# Altium PCB Layout.PcbDoc (part 3 of 4)
Units mil, origin at the board's own origin, x right, y up, seen from the top; angles counter-clockwise.
Board outline 10232.28 x 5133.86 mil, 4 copper layers (Top Layer, Mid 1, Mid 2, Bottom Layer), stack 23.756 mil thick; 494 components, 257 nets, 1544 pads, 835 vias.
Unrouted connection lines stored in the file: 4.
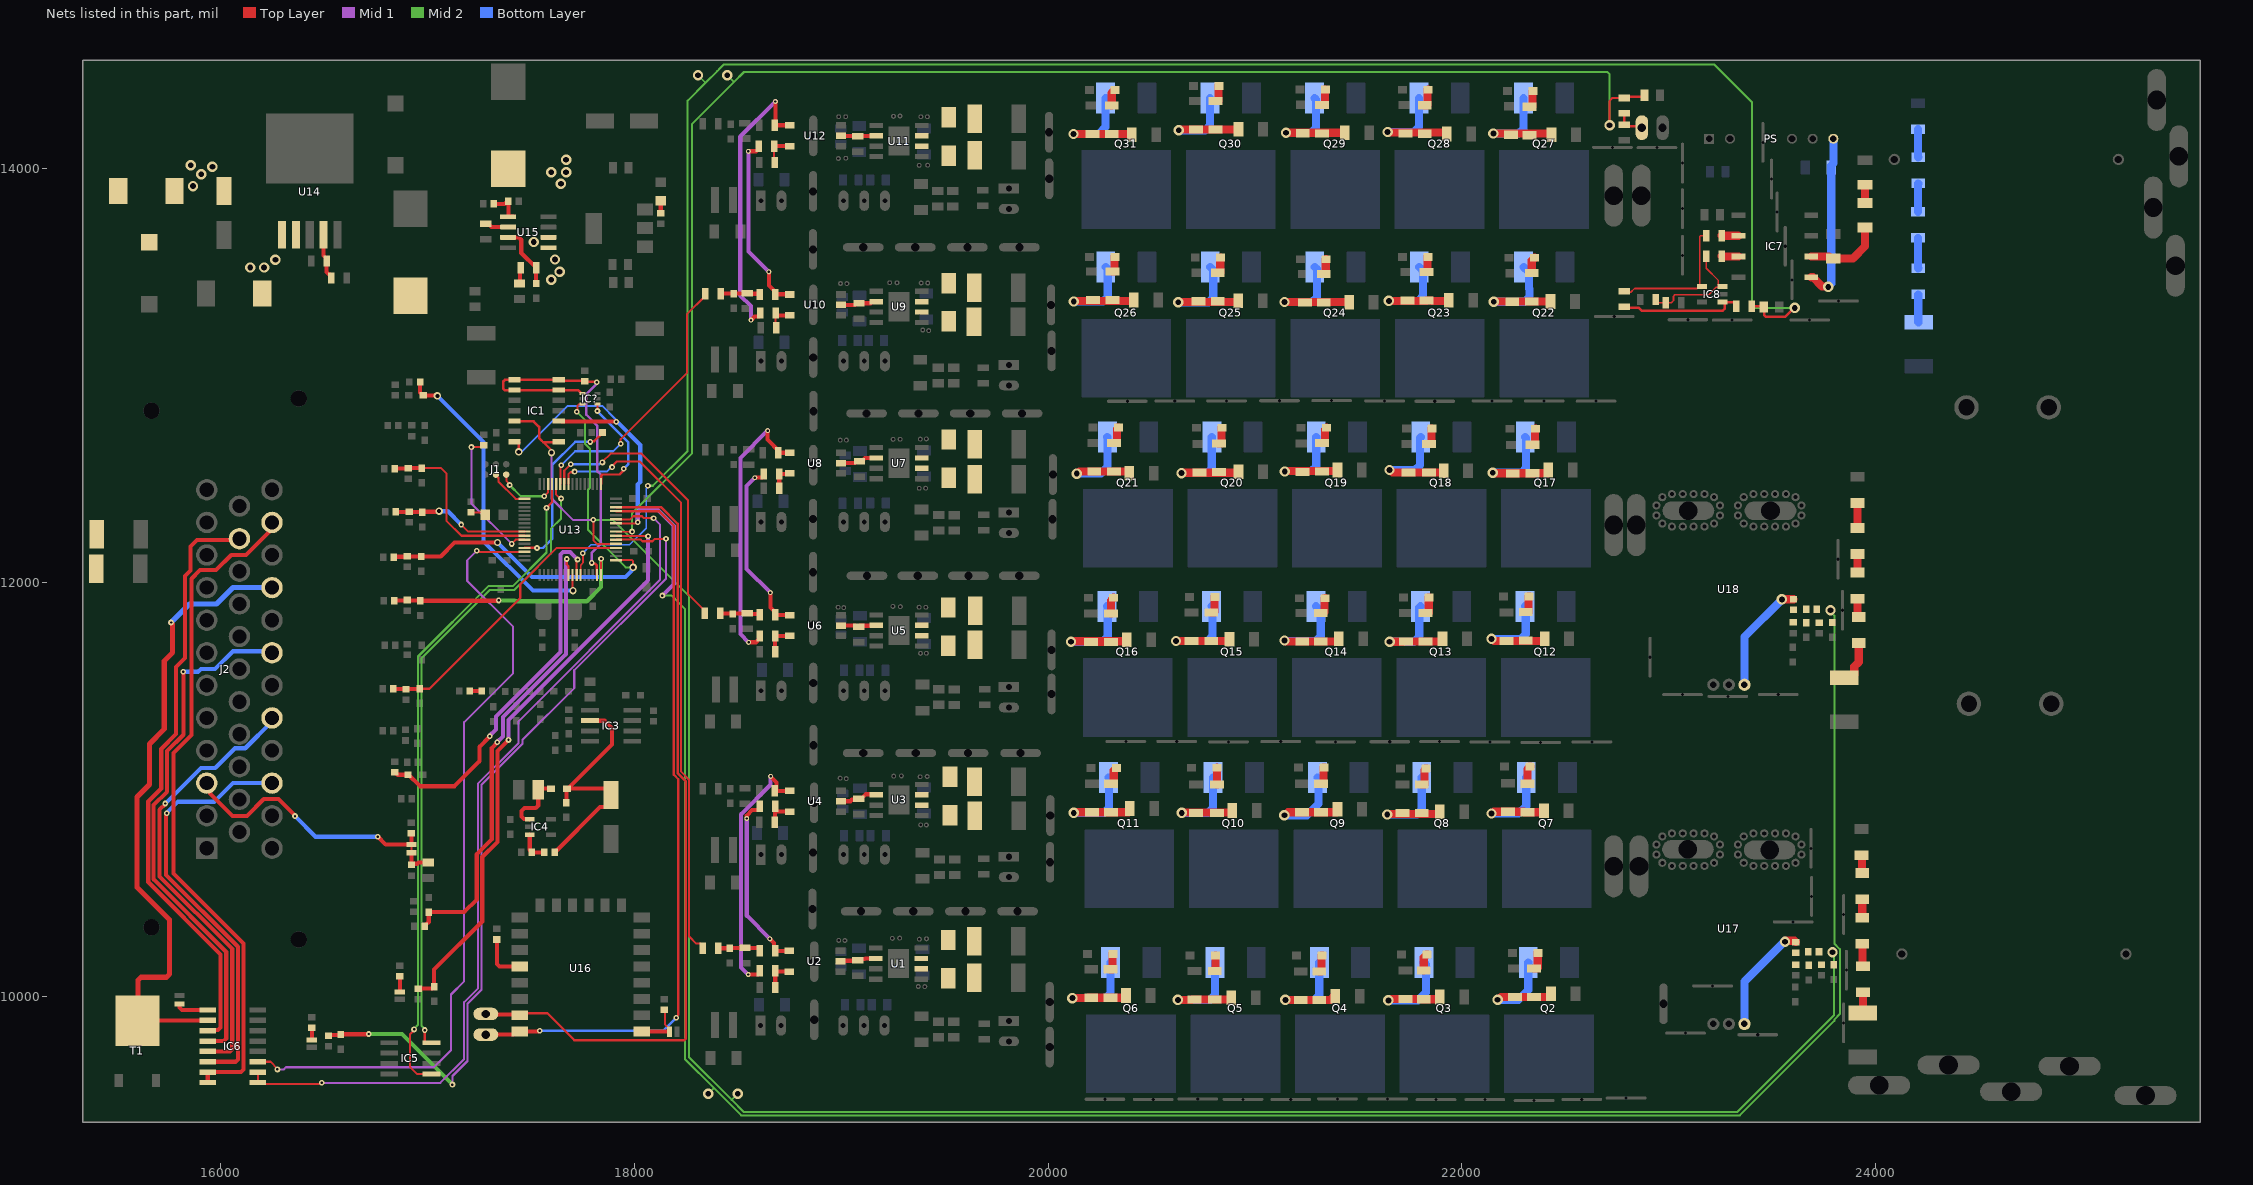
[diagram p5: the nets of this part, all layers, seen from the top]

## Via types
v1: diameter 50, hole 28, Top Layer to Bottom Layer, 605 vias
v2: diameter 27.56, hole 11.81, Top Layer to Bottom Layer, 109 vias
v3: diameter 19.68, hole 7.87, Top Layer to Bottom Layer, 72 vias
v4: diameter 23.62, hole 11.81, Top Layer to Bottom Layer, 33 vias
v5: diameter 35.43, hole 19.68, Top Layer to Bottom Layer, 9 vias
v6: diameter 157.48, hole 157.48, Top Layer to Bottom Layer, 7 vias

## Nets (pads, with @x,y where several pads share a name; then routed paths per layer and width w, separated by ;. In a path a pad name is that pad's centre, name@x,y a point inside that pad or via, vN(x,y) a via of type N, cw(c..) or ccw(c..) an arc to the next point about the centre after c; other vN are vias at no path point) (continued)
NetC81_1: C81.1 C82.2 D8.C IC3.2 R52.2 | length 1205.7
  Top Layer w20: R52.2@17615.93,10695.1 17615.93,10696.74 17621.68,10702.49 17623.32,10702.49 17834,10913.17 17861.3,10913.17 17887.72,10939.59 17887.72,10976.16 17861.3,11002.58 D8.C@17679.65,11002.58 ; C82.2@17671.77,10934.57 17671.77,10996.83 17677.52,11002.58 D8.C@17679.65,11002.58 ; IC3.2@17785.6,11331.69 17786.77,11330.52 17857.72,11330.52 17893.1,11295.14 17893.1,11216.03 D8.C@17679.65,11002.58
NetC83_2: C83.2 R57.2 SJ?.1@16923.62,10693.16 | length 155.4
  Top Layer w20: R57.2@16923.65,10633.78 SJ?.1@16923.65,10693.13 ; R57.2@16923.68,10633.75 16929.43,10639.5 16951.11,10639.5 16957.17,10645.56 C83.2@17014.73,10645.56
NetC91_1: C91.1 D9.A R71.1 R208.1
NetC93_1: C93.1 D9.C U14.1
  other v1: 16143.98,13521.06 16211.14,13521.06 16265.58,13558.46 15867.39,13914.39 15907.71,13972.05 15961.14,14008.46 15856.72,14014.78
NetC95_2: C95.2 R74.2 U15.3 | length 309.5
  Top Layer w20: U15.3@17390.28,13666.73 17442.2,13666.73 17453.92,13655.01 17453.92,13592.09 R74.2@17525.31,13520.69 17525.71,13520.3 17525.71,13444.31 C95.2@17526.1,13443.92
NetC96_2: C96.2 R74.1 | length 78.9
  Top Layer w20: C96.2@17445.39,13443.92 17447.95,13446.48 17447.95,13518.14 R74.1@17450.51,13520.69
NetC101_2: C101.2 R81.2 R82.1 R84.2
NetC104_2: C104.2 R85.2 R86.1 R88.2
NetC126_2: C126.2 IC7.1 PS.7 | length 804.5
  Top Layer w39.37: IC7.1@23687.99,13474.02 23695.87,13474.02 23740.3,13429.58 23768.26,13429.58 v1(23770.3,13427.55)
  Bottom Layer w39.37: v1@23784.45,13444.57 C126.2@23784.45,14004.92 23784.45,14014.76 23794.88,14025.2 PS.7@23794.88,14143.23
NetC128_1: C128.1 C129.2 | length 109.6
  Top Layer w39.37: C129.2@23934.06,10252.95 23935.67,10251.34 23935.67,10146.29 C128.1@23937.27,10144.68
NetC128_2: C128.2 R219.1 | length 100.1
  Top Layer w39.37: R219.1@23937.28,9918.6 C128.2@23937.27,10018.69
NetC129_1: C129.1 C130.2 | length 89.6
  Top Layer w39.37: C129.1@23934.06,10378.94 C130.2@23934.06,10468.5
NetC130_1: C130.1 C131.2 | length 87.8
  Top Layer w39.37: C131.2@23931.1,10681.1 23932.58,10679.63 23932.58,10595.96 C130.1@23934.06,10594.49
NetC132_1: C132.1 C133.2 | length 91.9
  Top Layer w39.37: C133.2@23911.86,11920.73 23911.86,11836.38 23915.8,11832.44 C132.1@23917.76,11832.44
NetC132_2: C132.2 R220.1 | length 167.6
  Top Layer w39.37: R220.1@23891.09,11549.88 23895.66,11554.45 23895.66,11593.14 23917.76,11615.24 C132.2@23917.76,11706.45
NetC133_1: C133.1 C134.2 | length 90.1
  Top Layer w39.37: C133.1@23911.86,12046.71 C134.2@23911.86,12136.8
NetC134_1: C134.1 C135.2 | length 120.8
  Top Layer w39.37: C134.1@23911.86,12262.79 C135.2@23911.86,12383.56
NetC136_1: C136.1 C137.2 | length 147.2
  Bottom Layer w39.37: C137.2@24204.33,13664.5 24204.53,13664.3 24204.53,13517.65 C136.1@24204.72,13517.45
NetC136_2: C136.2 R221.1 | length 136.4
  Bottom Layer w39.37: C136.2@24204.72,13391.47 24204.72,13257.87 R221.1@24206.69,13255.91
NetC137_1: C137.1 C138.2 | length 137.6
  Bottom Layer w39.37: C137.1@24204.33,13790.48 24204.53,13790.68 24204.53,13927.71 C138.2@24204.72,13927.9
NetC138_1: C138.1 C139.2 | length 135.2
  Bottom Layer w39.37: C139.2@24204.35,14188.98 24204.53,14188.79 24204.53,14054.08 C138.1@24204.72,14053.89
NetD1_a: D1.a R1.1
NetD1_k: D1.k R3.1 U1.6 U1.7
NetD2_a: D2.a R9.1
NetD2_k: D2.k R11.1 U3.6 U3.7
NetD3_a: D3.a R15.1
NetD3_k: D3.k R17.1 U5.6 U5.7
NetD4_a: D4.a R23.1
NetD4_k: D4.k R25.1 U7.6 U7.7
NetD5_a: D5.a R29.1
NetD5_k: D5.k R31.1 U9.6 U9.7
NetD6_a: D6.a R37.1
NetD6_k: D6.k R39.1 U11.6 U11.7
NetD7_A: D7.A R43.1 | length 72.7
  Top Layer w10: R43.1@17211.37,12337.39 17267.34,12337.39 D7.A@17279.14,12325.59
NetD8_A: D8.A IC4.1 L8.2 | length 302.8
  Top Layer w20: IC4.1@17494.87,10854.85 17494.05,10855.68 17467.2,10855.68 17455.48,10867.39 17455.48,10894.91 17470.44,10909.86 17524.23,10909.86 17535.95,10921.58 L8.2@17535.95,10997.66 17540.87,11002.58 D8.A@17596.97,11002.58
NetD10_C: D10.C L9.1 U14.2
NetD11_A: D11.A R78.1 | length 61.2
  Top Layer w20: R78.1@18127.99,13783.13 D11.A@18127.99,13844.36
NetD12_a: D12.a R116.1 | length 92.2
  Top Layer w39.37: R116.1@22348.5,10133.28 22362.28,10133.28 22366.14,10137.14 22366.14,10207.68 22367.13,10208.66 D12.a@22368.11,10208.66
NetD13_a: D13.a R118.1 | length 85.6
  Top Layer w39.37: R118.1@21815.51,10123.03 21815.51,10187.29 21829.89,10201.68 D13.a@21830.88,10201.68
NetD14_a: D14.a R120.1 | length 89.3
  Top Layer w39.37: R120.1@21310.03,10119.75 21321.85,10119.75 21321.85,10194.88 21322.83,10195.87 D14.a@21323.82,10195.87
NetD15_a: D15.a R122.1 | length 78.9
  Top Layer w39.37: R122.1@20805.61,10121.47 20809.09,10121.47 D15.a@20809.09,10196.85
NetD16_a: D16.a R124.1 | length 84.3
  Top Layer w39.37: R124.1@20301.51,10129.78 20310.58,10129.78 20310.58,10202.6 20311.56,10203.59 D16.a@20312.55,10203.59
NetD17_a: D17.a R131.1 | length 89
  Top Layer w39.37: R131.1@22316.65,11026.14 22316.65,11097.21 22328.64,11109.2 D17.a@22329.63,11109.2
NetD18_a: D18.a R133.1 | length 94.6
  Top Layer w39.37: R133.1@21805.29,11023.17 21819.07,11023.17 21819.07,11092.29 21824.98,11098.21 21824.98,11099.19 21825.97,11100.17 D18.a@21826.95,11100.17
NetD19_a: D19.a R135.1 | length 92.2
  Top Layer w39.37: R135.1@21318.72,11026.34 21331.51,11026.34 21331.51,11103.35 21332.5,11104.33 D19.a@21333.48,11104.33
NetD20_a: D20.a R137.1 | length 80.8
  Top Layer w39.37: D20.a@20815.39,11104.19 20815.39,11023.48 R137.1@20815.51,11023.48
NetD21_a: D21.a R139.1 | length 95.5
  Top Layer w39.37: R139.1@20303.22,11026.57 20317,11026.57 20317,11091.21 20328.4,11102.6 D21.a@20329.38,11102.6
NetD22_a: D22.a R146.1 | length 90.2
  Top Layer w39.37: R146.1@22307.99,11856.3 22321.77,11856.3 22322.3,11856.83 22322.3,11930.12 22323.29,11931.1 D22.a@22324.27,11931.1
NetD23_a: D23.a R148.1 | length 91.6
  Top Layer w39.37: R148.1@21824.04,11851.1 21837.82,11851.1 21839.31,11852.6 21839.31,11925.91 21840.29,11926.89 D23.a@21841.28,11926.89
NetD24_a: D24.a R150.1 | length 88.1
  Top Layer w39.37: R150.1@21317.24,11851.49 21331.02,11851.49 21335.51,11855.98 21335.51,11921.6 21336.49,11922.58 D24.a@21337.48,11922.58
NetD25_a: D25.a R152.1 | length 90.4
  Top Layer w39.37: R152.1@20788.66,11854.35 20802.44,11854.35 20803.47,11855.38 20803.47,11928.17 20804.46,11929.15 D25.a@20805.44,11929.15
NetD26_a: D26.a R154.1 | length 82.1
  Top Layer w39.37: R154.1@20303.18,11849.18 20303.18,11912.07 20316.08,11924.96 D26.a@20317.06,11924.96
NetD27_a: D27.a R161.1 | length 91.9
  Top Layer w39.37: R161.1@22340.03,12664.35 22352.83,12664.35 22352.83,12741.12 22353.81,12742.1 D27.a@22354.79,12742.1
NetD28_a: D28.a R163.1 | length 88.6
  Top Layer w39.37: R163.1@21840.23,12668.31 21852.1,12668.31 21852.1,12742.63 21853.09,12743.61 D28.a@21854.07,12743.61
NetD29_a: D29.a R165.1 | length 91.9
  Top Layer w39.37: R165.1@21323.76,12672.71 21337.54,12672.71 21337.54,12738.8 21343.68,12744.94 21343.68,12745.93 21344.67,12746.91 D29.a@21345.65,12746.91
NetD30_a: D30.a R167.1 | length 90.3
  Top Layer w39.37: R167.1@20825.54,12670.23 20838.4,12670.23 20838.4,12745.32 20839.38,12746.3 D30.a@20840.37,12746.3
NetD31_a: D31.a R169.1 | length 91.8
  Top Layer w39.37: R169.1@20318.74,12673.4 20332.52,12673.4 20332.52,12740.5 20337.85,12745.83 20337.85,12746.81 20338.84,12747.8 D31.a@20339.82,12747.8
NetD32_a: D32.a R176.1 | length 79.7
  Top Layer w39.37: R176.1@22337.15,13494.58 22337.15,13554.81 22350.26,13567.91 D32.a@22351.24,13567.91
NetD33_a: D33.a R178.1 | length 79.1
  Top Layer w39.37: R178.1@21827.77,13499.83 21833.48,13499.83 21833.48,13570.87 21834.46,13571.85 D33.a@21835.45,13571.85
NetD34_a: D34.a R180.1 | length 83
  Top Layer w39.37: R180.1@21331.81,13489.17 21341.54,13489.17 21341.54,13560.04 21342.52,13561.02 D34.a@21343.5,13561.02
NetD35_a: D35.a R182.1 | length 87.8
  Top Layer w39.37: R182.1@20819.53,13495.61 20832.07,13495.61 20832.07,13568.45 20833.06,13569.43 D35.a@20834.04,13569.43
NetD36_a: D36.a R184.1 | length 81.5
  Top Layer w39.37: R184.1@20311.39,13502.14 20321.61,13502.14 20321.61,13571.04 20322.6,13572.02 D36.a@20323.58,13572.02
NetD37_a: D37.a R191.1 | length 91.8
  Top Layer w39.37: R191.1@22325.71,14298.23 22339.49,14298.23 22341.46,14300.2 22341.46,14373.03 22342.44,14374.02 D37.a@22343.42,14374.02
NetD38_a: D38.a R193.1 | length 89.8
  Top Layer w39.37: R193.1@21820.12,14305.07 21833.66,14305.07 21833.66,14378.94 21834.65,14379.92 D38.a@21835.63,14379.92
NetD39_a: D39.a R195.1 | length 89.7
  Top Layer w39.37: R195.1@21324.21,14305.97 21337.41,14305.97 21337.41,14380.1 21338.39,14381.08 D39.a@21339.37,14381.08
NetD40_a: D40.a R197.1 | length 87.6
  Top Layer w39.37: R197.1@20808.93,14325.82 20822.71,14325.82 20822.71,14395.51 20823.29,14396.08 20823.29,14397.07 20824.27,14398.05 D40.a@20825.25,14398.05
NetD41_a: D41.a R199.1 | length 82
  Top Layer w39.37: R199.1@20307.17,14304.39 20307.17,14365.13 20321.5,14379.45 D41.a@20322.49,14379.45
NetIC4_3: IC4.3 R52.1 R55.2 | length 148.8
  Top Layer w20: IC4.3@17494.87,10780.05 17494.87,10707.57 17505.7,10696.75 R55.2@17505.7,10694.78 R52.1@17564.75,10694.77
NetIC6_9: IC6.9 SJ1.1 | length 159.7
  Top Layer w20: SJ1.1@15802.17,9962.5 15802.17,9944.59 15813.88,9932.87 IC6.9@15939.1,9932.87
NetIC7_2: IC7.2 R212.1 R215.2 | length 378.6
  Top Layer w39.37: IC7.2@23687.99,13574.02 23774.01,13574.02 23783.07,13564.96 R215.2@23794.88,13564.96 23888.78,13564.96 23947.51,13623.69 R212.1@23947.51,13714.7
NetIC7_6: IC7.6 R211.2 | length 81
  Top Layer w39.37: R211.2@23255.22,13675.34 23255.88,13674.68 23334.97,13674.68 IC7.6@23335.63,13674.02
NetIC7_7: IC7.7 R214.2 | length 81.2
  Top Layer w39.37: R214.2@23255.22,13575.89 23256.16,13574.95 23334.69,13574.95 IC7.7@23335.63,13574.02
NetIC8_1: IC8.1 R70.2 R210.1 | length 589.7
  Top Layer w12: R70.2@22804.52,13327.34 22841.1,13327.34 22841.43,13327.01 22853.69,13327.01 22869.5,13311.2 23258.05,13311.2 23268.7,13321.85 23268.7,13348.52 IC8.1@23262.89,13354.33 ; IC8.1@23258.86,13354.33 IC8.1@23262.89,13354.33 ; R210.1@23324.39,13334.65 23324.39,13344.58 23314.64,13354.33 23268.7,13354.33 IC8.1@23262.89,13354.33
NetIC8_3: IC8.3 R209.1 R214.1 R216.2 | length 536.4
  Top Layer w8: R209.1@22941.36,13350.74 22983.81,13350.74 R216.2@22985.78,13350.74 23010.69,13350.74 23021.81,13361.86 23021.81,13382.4 23028.84,13389.42 23191.86,13389.42 23227.92,13425.48 23243.39,13425.48 IC8.3@23247.05,13429.13 ; R214.1@23180.41,13575.89 23180.41,13517.5 23239.24,13458.68 23239.24,13436.95 IC8.3@23247.05,13429.13 ; IC8.3@23258.86,13429.13 IC8.3@23247.05,13429.13
NetIC8_4: IC8.4 R70.1 R211.1 | length 642.3
  Top Layer w8: R70.1@22804.52,13402.14 22816.33,13402.14 22834.15,13419.96 23136.12,13419.96 23137.49,13421.32 23140.81,13421.32 IC8.4@23148.62,13429.13 ; IC8.4@23160.43,13429.13 IC8.4@23148.62,13429.13 ; R211.1@23180.41,13675.34 23153.31,13675.34 23148.62,13670.66 IC8.4@23148.62,13429.13
NetJ1_2: J1.2 U13.46 | length 315.3
  Top Layer w10: J1.2@17381.3,12520.32 17382.25,12519.38 17382.25,12489.82 17397.34,12474.74 v2(17397.34,12469.98) ; v2(17564.84,12415.64) 17565.11,12415.64 17583.72,12434.25 U13.46@17583.72,12475.98
  Mid 2 w10: v2(17397.34,12469.98) 17451.69,12415.64 v2(17564.84,12415.64)
NetJ1_4: J1.4 U13.49 | length 200.9
  Top Layer w10: J1.4@17331.3,12520.32 17331.3,12516.73 17344.06,12503.97 17344.06,12485.64 17426.72,12402.98 U13.49@17470.72,12402.98
NetJ2_3: J2.3 R56.1 SJ?.2@16923.62,10733.16 | length 1252.5
  Top Layer w20: J2.3@15934.45,11029.42 15950.4,11013.47 15950.4,10979.72 16059.07,10871.04 16128.64,10871.04 16209.65,10952.05 16281.2,10952.05 v2@16361.32,10871.94 ; v2(16759.75,10770.21) 16761.74,10770.21 16798.79,10733.16 SJ?.2@16923.62,10733.16 16922.84,10733.94 16922.84,10785.37 R56.1@16922.06,10786.15
  Bottom Layer w20: v2(16360.43,10870.11) 16460.32,10770.21 v2(16759.75,10770.21)
NetL10_1: L10.1 U15.5 U15.6
  other v1: 17599.04,13461.64 17639.39,13501.01 17617.15,13560.05 17514.29,13644.38 17645.37,13925.89 17599.04,13981.32 17670.79,13981.32 17670.79,14042.04
NetQ2_1: Q2.1 R116.2 R117.2 R126.2 | length 577.5
  Top Layer w39.37: v1(22172.07,9982.69) 22174.94,9982.69 22187.74,9995.48 R117.2@22255.98,9995.48 22426.26,9995.48 22430.19,9999.42 R126.2@22430.19,10010.85
  Bottom Layer w39.37: v1(22172.07,9982.69) 22273.49,9982.69 22320.45,10029.65 Q2.1@22320.45,10162.81
NetQ3_1: Q3.1 R118.2 R119.2 R127.2 | length 605.2
  Top Layer w39.37: v1(21644.35,9979.38) 21647.23,9979.38 21653.69,9985.85 R119.2@21726.88,9985.85 21801.11,9985.85 21801.73,9985.23 21888.78,9985.23 21892.72,9989.17 R127.2@21892.72,9995.48
  Bottom Layer w39.37: v1(21644.35,9979.38) 21786.73,9979.38 21825.46,10018.12 21825.46,10152.85 Q3.1@21815.51,10162.81
NetQ4_1: Q4.1 R120.2 R121.2 R128.2 | length 581.7
  Top Layer w39.37: v1(21146.47,9981.72) 21146.77,9982.02 R121.2@21220.81,9982.02 21296.19,9982.02 21296.25,9981.95 21363.77,9981.95 R128.2@21386.84,10005.01
  Bottom Layer w39.37: v1(21146.47,9981.72) 21287.5,9981.72 21310.56,10004.78 Q4.1@21310.56,10162.81
NetQ5_1: Q5.1 R122.2 R123.2 R129.2 | length 610.7
  Top Layer w39.37: v1(20627.05,9981.95) 20692.28,9981.95 20694,9983.67 R123.2@20707.78,9983.67 R122.2@20805.61,9983.67 20856.69,9983.67 20857.23,9984.21 20881.53,9984.21 20885.47,9988.14 R129.2@20885.47,9991.99
  Bottom Layer w39.37: v1(20627.05,9981.95) 20782.55,9981.95 20805.61,10005.01 Q5.1@20805.61,10162.81
NetQ6_1: Q6.1 R124.2 R125.2 R130.2 | length 595.8
  Top Layer w39.37: v1(20117.13,9990.56) 20193.43,9990.56 20194.86,9991.99 R125.2@20208.64,9991.99 R124.2@20301.51,9991.99 R130.2@20368.85,9991.99
  Bottom Layer w39.37: v1(20117.13,9990.56) 20278.49,9990.56 20301.55,10013.62 20301.55,10161.92 Q6.1@20300.67,10162.81
NetQ7_1: Q7.1 R131.2 R132.2 R141.2 | length 583.9
  Top Layer w39.37: v1(22142.71,10882.3) 22145.58,10882.3 22154.51,10891.22 R132.2@22222.16,10891.22 22300,10891.22 22302.87,10888.35 R131.2@22316.65,10888.35 22392.68,10888.35 22396.62,10892.28 R141.2@22396.62,10895.66
  Bottom Layer w39.37: v1(22142.71,10882.3) 22273.76,10882.3 22310.51,10919.05 Q7.1@22310.51,11056.1
NetQ8_1: Q8.1 R133.2 R134.2 R142.2 | length 595.3
  Top Layer w39.37: v1(21638.83,10878.04) 21640.86,10880.08 21888.78,10880.08 21892.72,10884.01 R142.2@21892.72,10891.63
  Bottom Layer w39.37: v1(21638.83,10878.04) 21782.5,10878.04 21805.56,10901.11 Q8.1@21805.56,11056.1
NetQ9_1: Q9.1 R135.2 R136.2 R143.2 | length 590.6
  Top Layer w39.37: v1(21141.75,10874.23) 21144.62,10874.23 21158.94,10888.54 R136.2@21226.2,10888.54 R135.2@21318.72,10888.54 21394.45,10888.54 21398.39,10892.48 R143.2@21398.39,10902.65
  Bottom Layer w39.37: v1(21141.75,10874.23) 21251.1,10874.23 21306.53,10929.65 21306.53,11051.17 Q9.1@21301.6,11056.1
NetQ10_1: Q10.1 R137.2 R138.2 R144.2 | length 559.4
  Top Layer w39.37: v1(20646.03,10885.55) 20648.07,10887.58 20886.01,10887.58 20889.95,10891.52 R144.2@20889.95,10896.89
  Bottom Layer w39.37: v1(20646.03,10885.55) 20773.59,10885.55 20796.65,10908.61 Q10.1@20796.65,11056.1
NetQ11_1: Q11.1 R139.2 R140.2 R145.2 | length 615
  Top Layer w39.37: v1(20123.78,10885.55) 20126.66,10885.55 20129.89,10888.78 R140.2@20212.2,10888.78 R139.2@20303.22,10888.78 20388.86,10888.78 20394.98,10894.9 R145.2@20394.98,10906.71
  Bottom Layer w39.37: v1(20123.78,10885.55) 20270.89,10885.55 20293.95,10908.61 20293.95,11053.86 Q11.1@20291.71,11056.1
NetQ12_1: Q12.1 R146.2 R147.2 R156.2 | length 579.6
  Top Layer w39.37: v1(22142.71,11726.43) 22145.58,11726.43 22155.48,11716.54 R147.2@22214.53,11716.54 22395.67,11716.54 22399.61,11720.47 R156.2@22399.61,11726.38
  Bottom Layer w39.37: v1(22142.71,11726.43) 22284.97,11726.43 22308.03,11749.49 22308.03,11879.88 Q12.1@22303.94,11883.97
NetQ13_1: Q13.1 R148.2 R149.2 R157.2 | length 569.9
  Top Layer w39.37: v1(21650.39,11712.26) 21714.74,11712.26 21715.78,11713.31 R149.2@21729.56,11713.31 R148.2@21824.04,11713.31 21902.57,11713.31 21906.51,11717.25 R157.2@21906.51,11726.43
  Bottom Layer w39.37: v1(21650.39,11712.26) 21768.58,11712.26 21793.52,11737.2 21793.52,11878.5 Q13.1@21798.99,11883.97
NetQ14_1: Q14.1 R150.2 R151.2 R158.2 | length 613.8
  Top Layer w39.37: v1(21142.61,11718.57) 21145.49,11718.57 21150.36,11713.7 R151.2@21227.96,11713.7 R150.2@21317.24,11713.7 21400.94,11713.7 21404.87,11717.63 R158.2@21404.87,11726.43
  Bottom Layer w39.37: v1(21142.61,11718.57) 21144.64,11716.54 21294.22,11716.54 21317.28,11739.6 21317.28,11860.74 Q14.1@21294.05,11883.97
NetQ15_1: Q15.1 R152.2 R153.2 R159.2 | length 608
  Top Layer w39.37: v1(20618.09,11716.56) R153.2@20693.24,11716.56 20774.88,11716.56 R152.2@20788.66,11716.56 20868.43,11716.56 20877.27,11725.39 R159.2@20877.27,11737.2
  Bottom Layer w39.37: v1(20618.09,11716.56) 20771.97,11716.56 20795.03,11739.62 20795.03,11878.04 Q15.1@20789.1,11883.97
NetQ16_1: Q16.1 R154.2 R155.2 R160.2 | length 707.8
  Top Layer w39.37: v1(20110.24,11712.6) 20112.27,11714.63 20375.98,11714.63 20379.92,11718.57 R160.2@20379.92,11722.44 ; R155.2@20206.8,11711.38 R154.2@20303.18,11711.38
  Bottom Layer w39.37: v1(20110.24,11712.6) 20261.55,11712.6 20288.23,11739.28 20288.23,11879.9 Q16.1@20284.16,11883.97
NetQ17_1: Q17.1 R161.2 R162.2 R171.2 | length 603.6
  Top Layer w39.37: v1(22148.78,12529.04) 22151.66,12529.04 22154.15,12526.55 R161.2@22340.03,12526.55 22412.27,12526.55 22416.69,12530.98 R171.2@22416.69,12542.79
  Bottom Layer w39.37: v1(22148.78,12529.04) 22286.46,12529.04 22309.52,12552.1 22309.52,12697.64 Q17.1@22305.87,12701.29
NetQ18_1: Q18.1 R163.2 R164.2 R172.2 | length 566.8
  Top Layer w39.37: v1(21649.74,12542.56) 21652.62,12542.56 21664.67,12530.52 R164.2@21742.36,12530.52 R163.2@21840.23,12530.52 21907.71,12530.52 21911.65,12534.45 R172.2@21911.65,12538.69
  Bottom Layer w39.37: v1(21649.74,12542.56) 21773.86,12542.56 21796.93,12565.63 21796.93,12697.29 Q18.1@21800.92,12701.29
NetQ19_1: Q19.1 R165.2 R166.2 R173.2 | length 562
  Top Layer w39.37: v1(21143.92,12535) 21145.95,12537.03 21394.01,12537.03 21397.95,12540.97 R173.2@21397.95,12542.79
  Bottom Layer w39.37: v1(21143.92,12535) 21145.95,12537.03 21272.91,12537.03 21295.98,12560.09 Q19.1@21295.98,12701.29
NetQ20_1: Q20.1 R167.2 R168.2 R174.2 | length 587
  Top Layer w39.37: v1(20644.53,12527.35) 20646.56,12529.38 20916.62,12529.38 20920.56,12533.32 R174.2@20920.56,12534.9
  Bottom Layer w39.37: v1(20644.53,12527.35) 20767.97,12527.35 20791.03,12550.41 Q20.1@20791.03,12701.29
NetQ21_1: Q21.1 R169.2 R170.2 R175.2 | length 572.8
  Top Layer w39.37: v1(20138.01,12525.25) 20140.89,12525.25 20151.25,12535.61 R170.2@20222.89,12535.61 20304.96,12535.61 R169.2@20318.74,12535.6 20388.42,12535.6 20392.36,12531.67 R175.2@20392.36,12526.75
  Bottom Layer w39.37: v1(20138.01,12525.25) 20255.64,12525.25 20287.65,12557.26 20287.65,12699.72 Q21.1@20286.08,12701.29
NetQ22_1: Q22.1 R176.2 R177.2 R186.2 | length 613.5
  Top Layer w39.37: v1(22153.21,13355.64) 22153.79,13356.21 22426.95,13356.21 R186.2@22427.52,13356.79
  Bottom Layer w39.37: v1(22153.21,13355.64) 22302.53,13355.64 22325.59,13378.7 22325.59,13418.07 22324.23,13419.44 22324.23,13498.14 Q22.1@22298.24,13524.12
NetQ23_1: Q23.1 R178.2 R179.2 R187.2 | length 613.8
  Top Layer w39.37: v1(21646.85,13359.96) R178.2@21827.77,13359.96 ; R178.2@21827.77,13362.03 21853.08,13362.03 21855.15,13359.96 R187.2@21935.91,13359.96
  Bottom Layer w39.37: v1(21646.85,13359.96) 21789.18,13359.96 21812.24,13383.02 21812.24,13505.18 Q23.1@21793.3,13524.12
NetQ24_1: Q24.1 R180.2 R181.2 R188.2 | length 629.4
  Top Layer w39.37: v1(21142.38,13354.46) 21142.94,13353.9 21454.17,13353.9 R188.2@21454.72,13353.35
  Bottom Layer w39.37: v1(21142.38,13354.46) 21275.49,13354.46 21298.55,13377.52 21298.55,13513.92 Q24.1@21288.35,13524.12
NetQ25_1: Q25.1 R182.2 R183.2 R189.2 | length 625.3
  Top Layer w39.37: v1(20629.1,13353.14) 20631.14,13355.18 20914.75,13355.18 20918.69,13359.11 R189.2@20918.69,13359.79
  Bottom Layer w39.37: v1(20629.1,13353.14) 20775.05,13353.14 20798.12,13376.2 20798.12,13509.41 Q25.1@20783.4,13524.12